# Altium PCB ESP32-HWE-Dev.PcbDoc
Units mil, origin at the board's own origin, x right, y up, seen from the top; angles counter-clockwise.
Board outline 6000 x 4000 mil, 2 copper layers (Top Layer, Bottom Layer); 102 components, 115 nets, 431 pads, 141 vias.
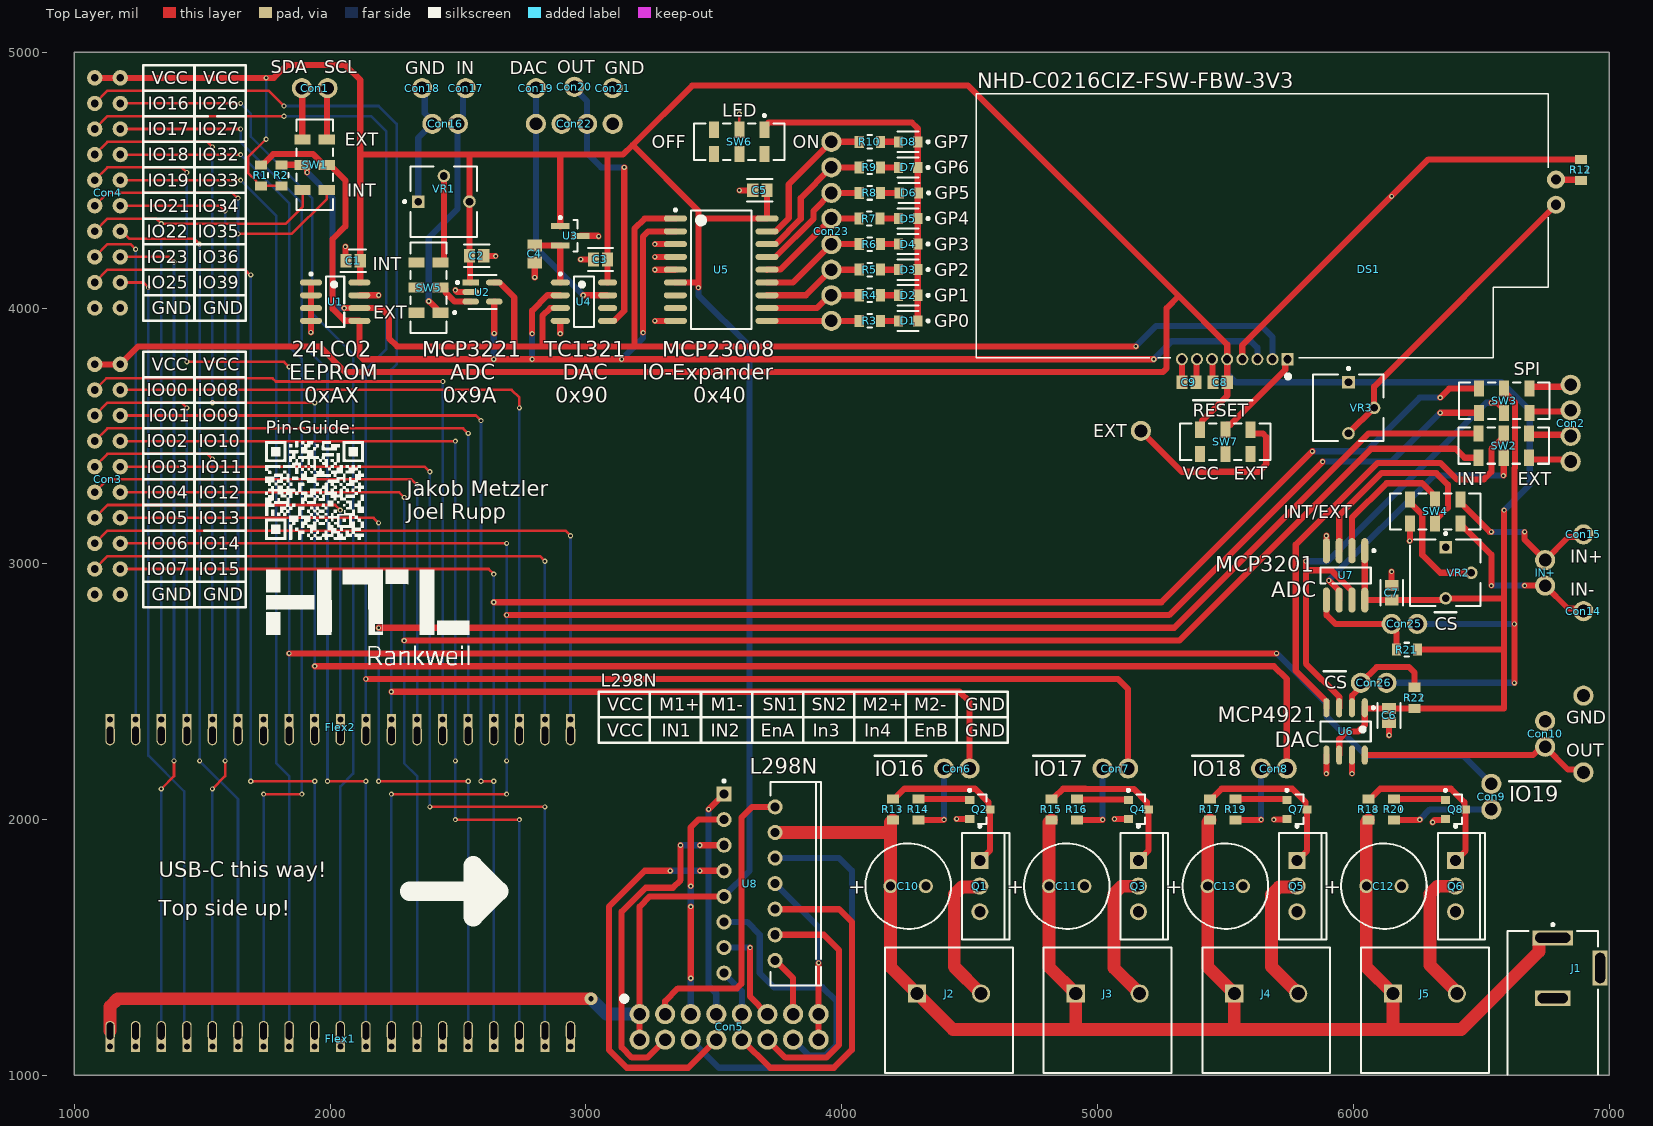
[diagram p0: Top Layer view]
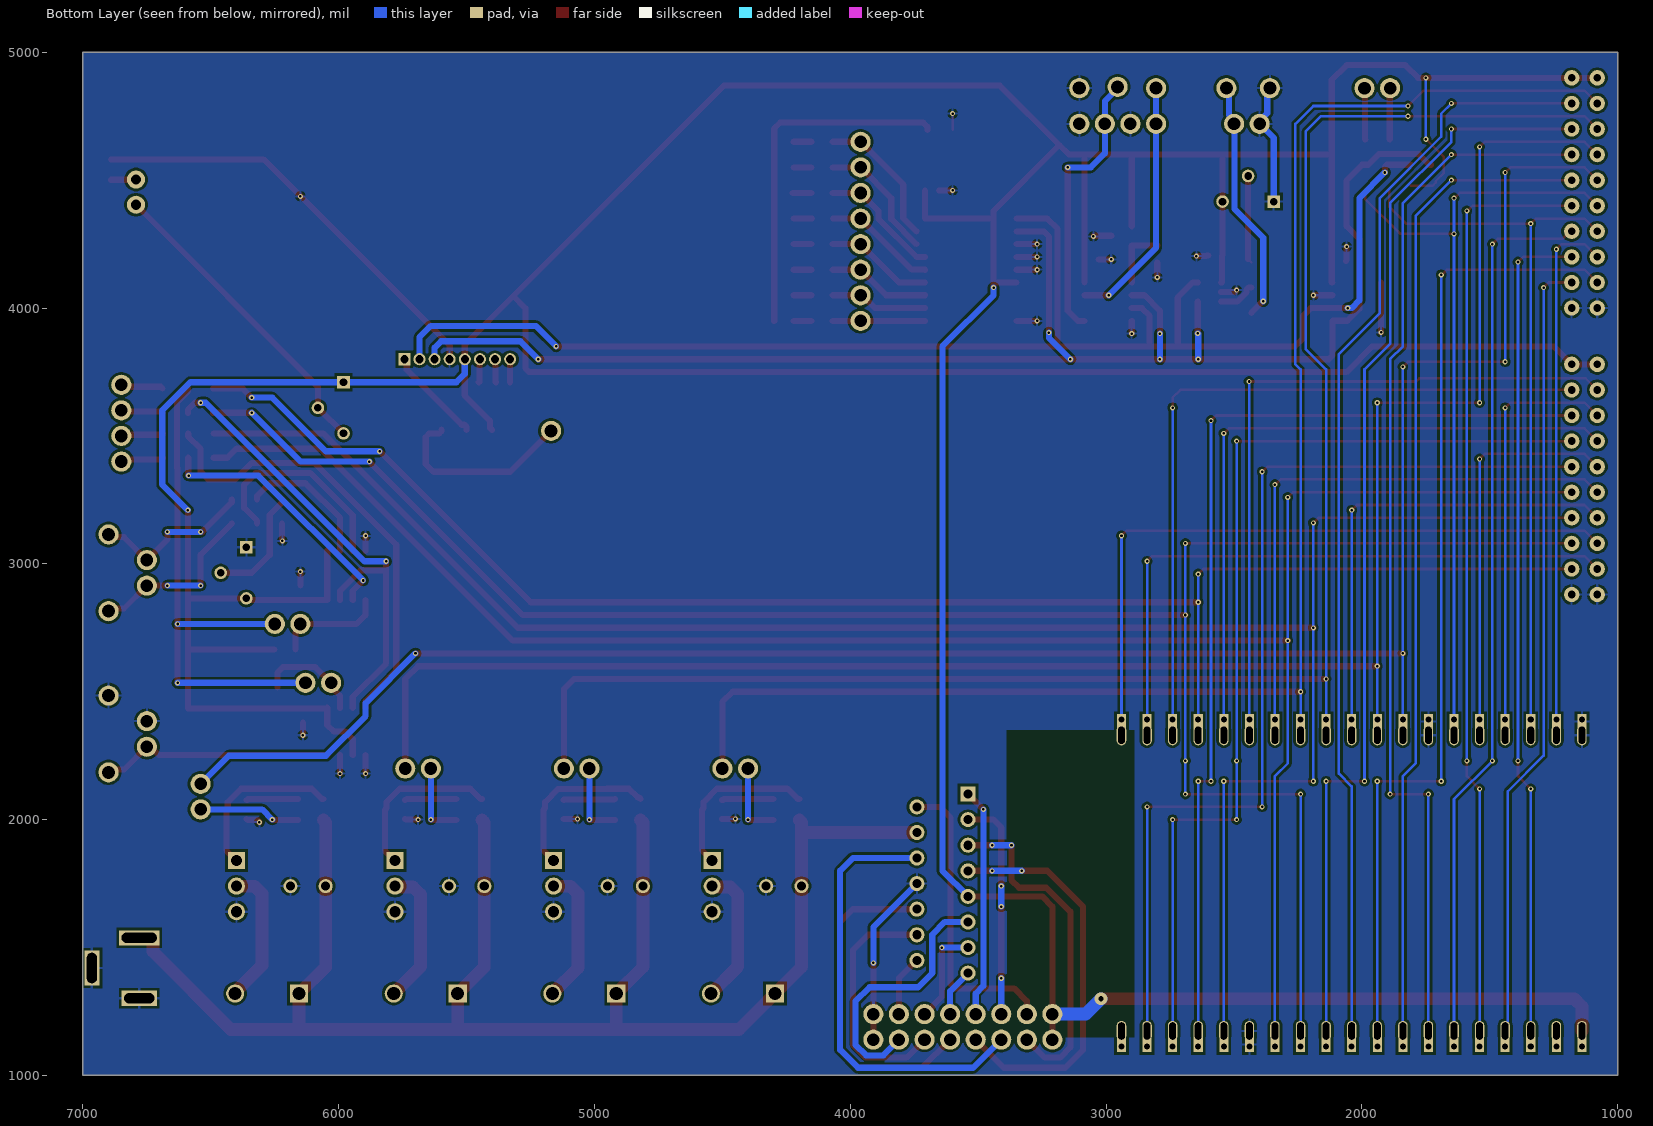
[diagram p1: Bottom Layer view, seen from below]

## Layer stack, top to bottom
Top Solder: solder mask 0.4, Solder Resist, Dk 3.5
Top Layer: signal copper 1.4
Dielectric 1: dielectric 12.6, FR-4, Dk 4.8
Bottom Layer: signal copper 1.4
Bottom Solder: solder mask 0.4, Solder Resist, Dk 3.5

## Board outline
1000,1000 7000,1000 7000,5000 1000,5000

## Design rules (kind name [scope] priority, off if disabled: settings)
Clearance [All] p1: gap=10 ignorepadtopadclearanceinfootprint=FALSE except(0: Arc-Hole Track-Hole SMDPad-Hole THPad-Hole Via-Hole Fill-Hole Poly-Hole Region-Hole Text-Hole)
HoleSize [All] p1: absolutevalues=TRUE maxlimit=150 minlimit=1 maxpercent=80.000 minpercent=20.000
PolygonConnect [All] p1: connectstyle=Relief reliefconductorwidth=10 reliefentries=4 polygonreliefangle="90 Angle" airgapwidth=10
RoutingVias [All] p1: holewidth=10 width=20 viastyle="Through Hole" minholewidth=10 minwidth=20 maxholewidth=28 maxwidth=50
SolderMaskExpansion [All] p1: expansion=4 istentingtop=FALSE
Width [All] p1: maxlimit=50 minlimit=10 preferedwidth=24 minimp=50.000000 maximp=50.000000 favimp=50.000000
29 further rules are at their usual default settings.

## Classes and differential pairs
component class ESP32-HWE-Dev-Power: C10 C11 C12 C13 J1 J2 J3 J4 J5 Q1 Q2 Q3 Q4 Q5 Q6 Q7 Q8 R13 R14 R15 R16 R17 R18 R19 R20 U8
component class ESP32-HWE-Dev: Con1 Con2 Con3 Con4 Con5 Con6 Con7 Con8 Con9 Flex1 Flex2 SW1 SW2 SW3
component class ESP32-HWE-Dev-SPI: C6 C7 Con10 Con14 Con15 Con25 Con26 GND IN+ OUT R21 R22 SW4 U6 U7 VR2
component class ESP32-HWE-Dev-I2C: C1 C2 C3 C4 C5 C8 C9 Con16 Con17 Con18 Con19 Con20 Con21 Con22 Con23 D1 D2 D3 D4 D5 D6 D7 D8 DS1 EXT R1 R2 R3 R4 R5 R6 R7 R8 R9 R10 R12 SW5 SW6 SW7 U1 U2 U3 U4 U5 VR1 VR3

## Components (designator, comment, footprint, x,y, rotation, side; value= is the part's Value field where it differs from the comment)
C1 "0.1µF" FP-0805-L_2_01_0_2-W_1_25-IPC_C 2090,4185 r180 top
C2 "0.1µF" FP-0805-L_2_01_0_2-W_1_25-IPC_C 2572.79,4205 r0 top
C3 "0.1µF" FP-0805-L_2_01_0_2-W_1_25-IPC_C 3057.21,4190 r180 top
C4 "Capacitor 1 uF +/- 10% 50 V 0805" CAPC2013X135X45NL10T25 2800,4211.54 r270 top value=1µF
C5 "0.1µF" FP-0805-L_2_01_0_2-W_1_25-IPC_C 3680,4460 r180 top
C6 "0.1µF" FP-0805-L_2_01_0_2-W_1_25-IPC_C 6140,2407.21 r270 top
C7 "0.1µF" FP-0805-L_2_01_0_2-W_1_25-IPC_C 6150,2887.21 r90 top
C8 "1µF" CAPC2013X145X50LL20T25 5480,3710 r0 top
C9 "1µF" CAPC2013X145X50LL20T25 5357.56,3710 r0 top
C10 "ECA-1VM221" PNSC-ECA-1VM221-2 4260,1740 r0 top
C11 "ECA-1VM221" PNSC-ECA-1VM221-2 4880,1740 r0 top
C12 "ECA-1VM221" PNSC-ECA-1VM221-2 6120,1740 r0 top
C13 "ECA-1VM221" PNSC-ECA-1VM221-2 5500,1740 r0 top
Con1 "Female 2 Pin" Header_Female_2Pin 1990,4860 r180 top
Con2 "Female 4 Pin" Header_Female_4Pin 6850,3400 r90 top
Con3 "Female 2x10 Pin" Header_Female_2x10Pin 1080,3780 r270 top
Con4 "Female 2x10 Pin" Header_Female_2x10Pin 1080,4900 r270 top
Con5 "Female 2x8 Pin" Header_Female_2x8Pin 3210,1140 r0 top
Con6 "Male 2 Pin" Header_Male_2Pin 4500,2200 r180 top
Con7 "Male 2 Pin" Header_Male_2Pin 5120,2200 r180 top
Con8 "Male 2 Pin" Header_Male_2Pin 5740,2200 r180 top
Con9 "Male 2 Pin" Header_Male_2Pin 6540,2140 r270 top
Con10 "DAC-Out" Header_Female_2Pin 6750,2385 r270 top
Con14 "IN-" Solder_Nail_RTM_1.3 6900,2815 r0 top
Con15 "IN+" Solder_Nail_RTM_1.3 6900,3115 r0 top
Con16 "Female 2 Pin" Header_Female_2Pin 2500,4720 r180 top
Con17 "Solder Nail RTM 1.3" Solder_Nail_RTM_1.3 2530,4860 r180 top
Con18 "Solder Nail RTM 1.3" Solder_Nail_RTM_1.3 2360,4860 r180 top
Con19 "DAC" Solder_Nail_RTM_1.3 2805,4860 r90 top
Con20 "OUT" Solder_Nail_RTM_1.3 2955,4865 r90 top
Con21 "GND" Solder_Nail_RTM_1.3 3105,4860 r90 top
Con22 "Female 4 Pin" Header_Female_4Pin 2805,4720 r0 top
Con23 "Header_Female_8Pin" Header_Female_8Pin 3960,3950 r90 top
Con25 "Male 2 Pin" Header_Male_2Pin 6150,2765 r0 top
Con26 "Male 2 Pin" Header_Male_2Pin 6130,2535 r180 top
D1 "GP0" FP-SML-LXT0805IW-TR-MFG 4260,3950 r180 top
D2 "GP1" FP-SML-LXT0805IW-TR-MFG 4260,4050 r180 top
D3 "GP2" FP-SML-LXT0805IW-TR-MFG 4260,4150 r180 top
D4 "GP3" FP-SML-LXT0805IW-TR-MFG 4260,4250 r180 top
D5 "GP4" FP-SML-LXT0805IW-TR-MFG 4260,4350 r180 top
D6 "GP5" FP-SML-LXT0805IW-TR-MFG 4262.6,4450 r180 top
D7 "GP6" FP-SML-LXT0805IW-TR-MFG 4260,4550 r180 top
D8 "GP7" FP-SML-LXT0805IW-TR-MFG 4260,4650 r180 top
DS1 "NHD-C0216CIZ-FSW-FBW-3V3" LCD_NHD-C0216CIZ-FSW-FBW-3V3 5536.69,4441.73 r0 top
EXT "Solder Nail RTM 1.3" Solder_Nail_RTM_1.3 5170,3520 r90 top (schematic designator Con24)
Flex1 "FlexiPins19" FlexiPins19#1 1140,1173.86 r90 top
Flex2 "FlexiPins19" FlexiPins19#2 1140,2330 r270 top
GND "Solder Nail RTM 1.3" Solder_Nail_RTM_1.3 6900,2485 r0 top (schematic designator Con11)
IN+ "ADC-In" Header_Female_2Pin 6750,2915 r90 top (schematic designator Con13)
J1 "PJ-002A" CUI-PJ-002A_V 6780,1420 r270 top
J2 "1714955" PHOE-1714955_V 4420,1320 r0 top
J3 "1714955" PHOE-1714955_V 5040,1320 r0 top
J4 "1714955" PHOE-1714955_V 5660,1320 r0 top
J5 "1714955" PHOE-1714955_V 6280,1320 r0 top
OUT "Solder Nail RTM 1.3" Solder_Nail_RTM_1.3 6900,2185 r0 top (schematic designator Con12)
Q1 "IRF840PBF" VISH-TO-220AB-3 4540,1740 r0 top
Q2 "BC817-40LT1G" ONSC-SOT-23-3-318-08_V 4540,2040 r0 top
Q3 "IRF840PBF" VISH-TO-220AB-3 5160,1740 r0 top
Q4 "BC817-40LT1G" ONSC-SOT-23-3-318-08_V 5160,2040 r0 top
Q5 "IRF840PBF" VISH-TO-220AB-3 5780,1740 r0 top
Q6 "IRF840PBF" VISH-TO-220AB-3 6400,1740 r0 top
Q7 "BC817-40LT1G" ONSC-SOT-23-3-318-08_V 5780,2040 r0 top
Q8 "BC817-40LT1G" ONSC-SOT-23-3-318-08_V 6400,2040 r0 top
R1 "4k7" FP-AC0805-MFG 1730,4518.66 r90 top value=4.7KΩ
R2 "4k7" FP-AC0805-MFG 1810,4518.66 r90 top value=4.7KΩ
R3 "47R" FP-AC0805-MFG 4110,3950 r180 top value=4.7KΩ
R4 "47R" FP-AC0805-MFG 4110,4050 r180 top value=4.7KΩ
R5 "47R" FP-AC0805-MFG 4110,4150 r180 top value=4.7KΩ
R6 "47R" FP-AC0805-MFG 4110,4250 r180 top value=4.7KΩ
R7 "47R" FP-AC0805-MFG 4108.66,4350 r180 top value=4.7KΩ
R8 "47R" FP-AC0805-MFG 4110,4450 r180 top value=4.7KΩ
R9 "47R" FP-AC0805-MFG 4110,4550 r180 top value=4.7KΩ
R10 "47R" FP-AC0805-MFG 4110,4650 r180 top value=4.7KΩ
R12 "21R" FP-AC0805-MFG 6890,4540 r90 top value=4.7KΩ
R13 "330R" FP-AC0805-MFG 4200,2040 r90 top value=4.7KΩ
R14 "3k3" FP-AC0805-MFG 4300,2040 r90 top value=4.7KΩ
R15 "330R" FP-AC0805-MFG 4820,2040 r90 top value=4.7KΩ
R16 "3k3" FP-AC0805-MFG 4920,2040 r90 top value=4.7KΩ
R17 "330R" FP-AC0805-MFG 5440,2040 r90 top value=4.7KΩ
R18 "330R" FP-AC0805-MFG 6060,2040 r90 top value=4.7KΩ
R19 "3k3" FP-AC0805-MFG 5540,2040 r90 top value=4.7KΩ
R20 "3k3" FP-AC0805-MFG 6160,2040 r90 top value=4.7KΩ
R21 "10k" FP-AC0805-MFG 6210,2665 r180 top value=4.7KΩ
R22 "10k" FP-AC0805-MFG 6240,2476.34 r90 top value=4.7KΩ
SW1 "JS202011JCQN" FP-JS202011JCQN-MFG 1940,4560 r90 top
SW2 "JS202011JCQN" FP-JS202011JCQN-MFG 6588.43,3462.24 r0 top
SW3 "JS202011JCQN" FP-JS202011JCQN-MFG 6590,3637.76 r0 top
SW4 "JS202011JCQN" FP-JS202011JCQN-MFG 6320,3205 r180 top
SW5 "JS202011JCQN" FP-JS202011JCQN-MFG 2385,4080 r90 top
SW6 "JS202011JCQN" FP-JS202011JCQN-MFG 3600,4650 r180 top
SW7 "JS202011JCQN" FP-JS202011JCQN-MFG 5500,3477.24 r0 top
U1 "24LC02" SOIC-SN8_N 2020,4025 r0 top
U2 "MCP3221" FP-C04-091-OT-IPC_A 2595.91,4062.6 r0 top
U3 "MCP1525T-I/TT" SOT-23-TT3_M 2939.37,4282.6 r0 top
U4 "TC1321" SOIC-OA8_L 2992.52,4025 r0 top
U5 "MCP23008" SOIC-SO18_N 3529.13,4150 r0 top
U6 "MCP4921" SOIC-SN8_L 5970,2345 r270 top
U7 "MCP3201" SOIC-SN8_M 5970,2955 r270 top
U8 "L298N" STM-FM-15 3640,1750 r0 top
VR1 "10k" BOUR-3362P 2445,4415 r0 top
VR2 "10k" BOUR-3362P 6360,2965 r270 top
VR3 "100R" BOUR-3362P 5980,3610 r270 top

## Footprints (in the part's own frame and the unit in brackets; to place one, negate y for a bottom-side part, rotate by r counter-clockwise, add the part's x,y. Pads: shape width x height; smd on the part's side, far side on the other; paste and mask are expansions set on the pad)
BOUR-3362P [mm] "THD, 3-Leads, Body 6.6x6.99mm, Pitch 2.54mm"
  rect 1.25x1.25 hole 0.75: 1(-2.54,0.035)
  round 1.25 hole 0.75: 2(0,2.575) 3(2.54,0.035)
  silkscreen extent -4.02,-3.49 3.3,3.5, body extent -3.3,-3.49 3.3,3.49, height 4.95
CAPC2013X135X45NL10T25 [mm] "Chip Capacitor, 2-Leads, Body 2.10x1.35mm, IPC Medium Density"
  rect 1.2x1.4 smd: 1(-0.85,0) 2(0.85,0)
  body extent -1.05,-0.67 1.05,0.67, height 1.35
CAPC2013X145X50LL20T25 [mm] "Chip Capacitor, 2-Leads, Body 2.00x1.25mm, IPC High Density"
  rect 1.1x1.35 smd: 1(-0.7,0) 2(0.7,0)
  body extent -1.1,-0.72 1.1,0.72, height 1.45
CUI-PJ-002A_V [mm] "THD, 3-Leads, Body 14.4x9mm, Height 11mm"
  rect 1.5x4 hole 1 slot 3.5 at 90 deg: 1(-3,0)
  rect 1.5x3.5 hole 1 slot 3 at 90 deg: 2(3,0)
  rect 3.5x1.5 hole 1 slot 3 at 0 deg: 3(0,4.7)
  silkscreen extent -4.42,-4.5 10.57,4.5, body extent -3.7,-4.5 10.7,4.9, height 11
FlexiPins19#1 [mm]
  rect 1.5x0.9 hole 0.6 copper offset 0.2,0: 1(-1.55,0) 2(-1.55,-2.54) 3(-1.55,-5.08) 4(-1.55,-7.62) 5(-1.55,-10.16) 6(-1.55,-12.7) 7(-1.55,-15.24) 8(-1.55,-17.78) 9(-1.55,-20.32) 10(-1.55,-22.86) 11(-1.55,-25.4) 12(-1.55,-27.94) 13(-1.55,-30.48) 14(-1.55,-33.02) 15(-1.55,-35.56) 16(-1.55,-38.1) 17(-1.55,-40.64) 18(-1.55,-43.18) 19(-1.55,-45.72)
  oval 2x0.95 hole 0.65 slot 1.7 at 0 deg: 1(0,0) 2(0,-2.54) 3(0,-5.08) 4(0,-7.62) 5(0,-10.16) 6(0,-12.7) 7(0,-15.24) 8(0,-17.78) 9(0,-20.32) 10(0,-22.86) 11(0,-25.4) 12(0,-27.94) 13(0,-30.48) 14(0,-33.02) 15(0,-35.56) 16(0,-38.1) 17(0,-40.64) 18(0,-43.18) 19(0,-45.72)
  body extent -3.59,-45.92 0.87,0.2, height 4.07
FlexiPins19#2 [mm]
  rect 1.5x0.9 hole 0.6 copper offset 0.2,0: 1(-1.55,0) 2(-1.55,2.54) 3(-1.55,5.08) 4(-1.55,7.62) 5(-1.55,10.16) 6(-1.55,12.7) 7(-1.55,15.24) 8(-1.55,17.78) 9(-1.55,20.32) 10(-1.55,22.86) 11(-1.55,25.4) 12(-1.55,27.94) 13(-1.55,30.48) 14(-1.55,33.02) 15(-1.55,35.56) 16(-1.55,38.1) 17(-1.55,40.64) 18(-1.55,43.18) 19(-1.55,45.72)
  oval 2x0.95 hole 0.65 slot 1.7 at 0 deg: 1(0,0) 2(0,2.54) 3(0,5.08) 4(0,7.62) 5(0,10.16) 6(0,12.7) 7(0,15.24) 8(0,17.78) 9(0,20.32) 10(0,22.86) 11(0,25.4) 12(0,27.94) 13(0,30.48) 14(0,33.02) 15(0,35.56) 16(0,38.1) 17(0,40.64) 18(0,43.18) 19(0,45.72)
  body extent -3.59,-0.2 0.87,45.92, height 4.07
FP-0805-L_2_01_0_2-W_1_25-IPC_C [mil]
  rect 43.49x53.39 smd paste+0 mask+0: 1(-27.79,0) 2(27.79,0)
  silkscreen extent -50,-44 50,44, body extent -53,-32 53,32, height 10
FP-AC0805-MFG [mm]
  rect 0.9x1.2 smd paste+0 mask+0: 1(-1.05,0) 2(1.05,0)
  silkscreen extent -0.23,-0.67 0.23,0.67, body extent -1.6,-0.77 1.6,0.77, height 0.25
FP-C04-091-OT-IPC_A [mil]
  rect 64.5x24.33 smd paste+0 mask+0: 1(-45.91,37.4)
  rrect100% 64.5x24.33 smd paste+0 mask+0: 2(-45.91,0) 3(-45.91,-37.4) 4(45.91,-37.4) 5(45.91,37.4)
  silkscreen extent -103,-67 55,67
FP-JS202011JCQN-MFG [mm]
  rect 1x1.6 smd paste+0 mask+0: 1(-2.5,-1.2) 2(0,-1.2) 3(2.5,-1.2) 5(-2.5,1.2) 6(0,1.2) 7(2.5,1.2)
  silkscreen extent -4.5,-1.8 4.5,1.8, body extent -4.6,-2.1 4.6,2.1, height 0.25
FP-SML-LXT0805IW-TR-MFG [mm]
  rect 0.9x1.1 smd paste+0 mask+0: 1(-0.95,0) 2(0.95,0)
  silkscreen extent -2.1,-1 1.05,1, body extent -1.5,-0.8 1.5,0.8, height 0.25
Header_Female_2Pin [mm]
  round 2 hole 1.25: 1(0,0) 2(2.54,0)
  body extent -1.53,-1.2 4.07,1.2, height 8.51
Header_Female_2x8Pin [mm]
  round 2 hole 1.25: 1(0,0) 2(2.54,0) 3(7.62,0) 4(5.08,0) 5(10.16,0) 6(12.7,0) 7(15.24,0) 8(17.78,0) 9(0,2.54) 10(2.54,2.54) 11(5.08,2.54) 12(7.62,2.54) 13(10.16,2.54) 14(12.7,2.54) 15(15.24,2.54) 16(17.78,2.54)
  body extent -1.27,-1.27 19.05,3.81, height 8.38
Header_Female_2x10Pin [mil]
  round 60 hole 30: 1(0,0) 2(100,0) 3(200,0) 4(300,0) 5(400,0) 6(500,0) 7(600,0) 8(700,0) 9(800,0) 10(900,0) 11(0,100) 12(100,100) 13(200,100) 14(300,100) 15(400,100) 16(500,100) 17(600,100) 18(700,100) 19(800,100) 20(900,100)
  body extent -60,-47 960,147, height 335
Header_Female_4Pin [mm]
  round 2 hole 1.25: 1(0,0) 2(2.54,0) 3(5.08,0) 4(7.62,0)
  body extent -1.53,-1.2 9.15,1.2, height 8.51
Header_Female_8Pin [mm]
  round 2 hole 1.25: 1(0,0) 2(2.54,0) 3(5.08,0) 4(7.62,0) 5(10.16,0) 6(12.7,0) 7(15.24,0) 8(17.78,0)
  body extent -1.52,-1.2 19.31,1.21, height 8.51
Header_Male_2Pin [mm]
  round 2 hole 1.25: 1(0,0) 2(2.54,0)
  body extent -1.33,-1.27 3.87,1.27, height 9.27
LCD_NHD-C0216CIZ-FSW-FBW-3V3 [mm]
  rect 1.2x1.2 hole 0.8: 1(5.25,-16.3)
  round 1.2 hole 0.8: 2(3.75,-16.3) 3(2.25,-16.3) 4(0.75,-16.3) 5(-0.75,-16.3) 6(-2.25,-16.3) 7(-3.75,-16.3) 8(-5.25,-16.3)
  round 1.8 hole 1: A(31.9,-0.96) K(31.9,1.54)
  silkscreen extent -25.65,-18.2 31.15,10.05, body extent -25.62,-16.51 32.18,9.99, height 6
ONSC-SOT-23-3-318-08_V [mm] "SOT23, 3-Leads, Body 2.92x1.3mm, Pitch 0.95mm"
  rect 0.9x0.8 smd: 1(-1,0.95) 2(-1,-0.95) 3(1,0)
  silkscreen extent -1.12,-1.46 0.65,2.02, body extent -0.65,-1.46 0.65,1.46, height 1.11
PHOE-1714955_V [mm] "Terminal Block, 2-Leads, Body 12.7x12.5mm, Pitch 6.35mm"
  rect 1.8x1.8 hole 1.3: 1(-3.175,0)
  round 1.8 hole 1.3: 2(3.175,0)
  silkscreen extent -6.35,-7.9 6.35,4.6, body extent -6.92,-7.9 6.35,4.6, height 21.51
PNSC-ECA-1VM221-2 [mm] "THD, 2-Leads, Dia 8.5mm, Body Length 12.5mm, Pin Spacing 3.5mm"
  round 1.4 hole 0.9: 1(-1.75,0) 2(1.75,0)
  silkscreen extent -4.25,-4.25 4.25,4.25, body extent -4.25,-4.25 4.25,4.25, height 12.5
SOIC-OA8_L [mm] "SOIC, 8-Leads, Body 4.9x3.9mm, Pitch 1.27mm, IPC High Density"
  oval 1.9x0.6 smd: 1(-2.35,1.905) 2(-2.35,0.635) 3(-2.35,-0.635) 4(-2.35,-1.905) 5(2.35,-1.905) 6(2.35,-0.635) 7(2.35,0.635) 8(2.35,1.905)
  silkscreen extent -2.47,-2.5 1,2.88, body extent -2,-2.5 2,2.5, height 1.75
SOIC-SN8_L [mm] "SOIC, 8-Leads, Body 4.9x3.9mm, Pitch 1.27mm, IPC High Density"
  oval 1.9x0.6 smd: 1(-2.35,1.905) 2(-2.35,0.635) 3(-2.35,-0.635) 4(-2.35,-1.905) 5(2.35,-1.905) 6(2.35,-0.635) 7(2.35,0.635) 8(2.35,1.905)
  silkscreen extent -2.47,-2.5 1,2.88, body extent -2,-2.5 2,2.5, height 1.75
SOIC-SN8_M [mm] "SOIC, 8-Leads, Body 4.9x3.9mm, Pitch 1.27mm, IPC Low Density"
  oval 2.5x0.7 smd: 1(-2.45,1.905) 2(-2.45,0.635) 3(-2.45,-0.635) 4(-2.45,-1.905) 5(2.45,-1.905) 6(2.45,-0.635) 7(2.45,0.635) 8(2.45,1.905)
  silkscreen extent -2.57,-2.5 0.8,2.93, body extent -2,-2.5 2,2.5, height 1.75
SOIC-SN8_N [mm] "SOIC, 8-Leads, Body 4.9x3.9mm, Pitch 1.27mm, IPC Medium Density"
  oval 2.2x0.6 smd: 1(-2.4,1.905) 2(-2.4,0.635) 3(-2.4,-0.635) 4(-2.4,-1.905) 5(2.4,-1.905) 6(2.4,-0.635) 7(2.4,0.635) 8(2.4,1.905)
  silkscreen extent -2.52,-2.5 0.9,2.88, body extent -2,-2.5 2,2.5, height 1.75
SOIC-SO18_N [mm] "SOIC, 18-Leads, Body 11.6x7.5mm, Pitch 1.27mm, IPC Medium Density"
  oval 2.3x0.6 smd: 1(-4.55,5.08) 2(-4.55,3.81) 3(-4.55,2.54) 4(-4.55,1.27) 5(-4.55,0) 6(-4.55,-1.27) 7(-4.55,-2.54) 8(-4.55,-3.81) 9(-4.55,-5.08) 10(4.55,-5.08) 11(4.55,-3.81) 12(4.55,-2.54) 13(4.55,-1.27) 14(4.55,0) 15(4.55,1.27) 16(4.55,2.54) 17(4.55,3.81) 18(4.55,5.08)
  silkscreen extent -4.67,-5.9 3,6.05, body extent -3.8,-5.87 3.8,5.87, height 2.65
Solder_Nail_RTM_1.3 [mm]
  round 2 hole 1.3: 1(0,0)
  body extent -1.02,-1.01 1.02,1.01, height 4.04
SOT-23-TT3_M [mm] "SOT23, 3-Leads, Body 2.9x1.3mm, Pitch 0.95mm, Lead Span 2.4mm, IPC Low Density"
  rect 1.8x0.6 smd: 1(-1,0.95) 2(-1,-0.95) 3(1,0)
  silkscreen extent -1.12,-1.55 0.7,1.92, body extent -0.7,-1.52 0.7,1.53, height 1.12
STM-FM-15 [mm] "FM, 15-Leads, Body 20.2x5mm, Pitch 1.27mm"
  rect 1.5x1.5 hole 0.9: 1(-2.54,8.89)
  round 1.5 hole 0.9: 2(2.54,7.62) 3(-2.54,6.35) 4(2.54,5.08) 5(-2.54,3.81) 6(2.54,2.54) 7(-2.54,1.27) 8(2.54,0) 9(-2.54,-1.27) 10(2.54,-2.54) 11(-2.54,-3.81) 12(2.54,-5.08) 13(-2.54,-6.35) 14(2.54,-7.62) 15(-2.54,-8.89)
  silkscreen extent -2.66,-10.1 7.09,10.31, body extent -2.8,-10.1 7.09,10.1, height 21
VISH-TO-220AB-3 [mm] "FM, 3-Leads, Body 10.55x4.65mm, Pitch 2.54mm"
  rect 1.7x1.7 hole 1.1: 1(0,2.54)
  round 1.7 hole 1.1: 2(0,0) 3(0,-2.54)
  silkscreen extent -1.77,-5.3 2.94,6.07, body extent -1.74,-5.28 2.91,5.28, height 19.31

## Part data
C1 C2 C3 C5 C6 C7: library part CMP-2000-05016-2, "General Purpose Ceramic Capacitor, 0805, 100nF, 10%, X7R, 0.15, 50V", Capacitance=100nF, Case Code (Imperial)=0805, Case Code (Metric)=2012, Dielectric=X7R, Dielectric Material=Ceramic, Insulation Resistance=100GR, Max Operating Temperature=125°C, Min Operating Temperature=-55°C, Package Quantity=4000, Tolerance=10%, Voltage=50V, Case/Package=0805, Depth=1.25mm, Dissipation Factor=2.5%, Height=0.5mm, Lead Free="Lead Free", Length=2mm, Mount="Surface Mount", Number of Pins=2, Packaging="Cut Tape", Radiation Hardening=No, REACH SVHC="No SVHC", RoHS Compliant=Yes, Series="MLCC X7R", Termination=Standard, Thickness=0.037inch, Voltage Rating=50V, Voltage Rating (DC)=50V, Weight=0.001411oz, Width=1.2mm
C4: library part CMP-001-00007-6, "Chip Capacitor, 1 uF, +/- 10%, 50 V, 0805 (2012 Metric)", Capacitor Type=Ceramic, Case/Package=0805, Max Operating Temperature=125°C, Min Operating Temperature=-55°C, Tolerance=10%, Voltage Rating=50V, Mounting Technology=SM, Pins=2, RoHS Compliant=True
C8 C9: library part CMP-1036-04746-2, Manufacturer=Kemet, Part Number=C0805C105K4PACTU
C10 C11 C12 C13: library part CMP-2000-05311-1, "Aluminum Electrolytic Capacitor, 220 uF, +/- 20%, 35 V, -40 to 85 degC, 2-Pin THD, RoHS, Bulk", Capacitance=220µF, Case Size/Dimension=Ø8x11.5mm, Lifetime@Temperature=2000Hrs@85degC, Manufacturer=Panasonic, Operating Temp Range=-40to+85degC, Operating Temp-Max=85degC, Package Description="2-Pin Axial Lead, Dia 8 mm, Body Length 12.5 mm", Rated Voltage=35V, Ripple Current=350mA, Datasheet URL=https://datasheet.ciiva.com/26341/441851-da-01-en-elko-eca1vm221-m-r-220myf-35v-85c-26341906.pdf, Datasheet Version=Mar-06, Manufacturer URL=http://www.panasonic.com/, Package Reference=ECA-1VM221, Series=M, Type=Radial
Con1 Con10 Con16 IN+: library part Header_Female_2Pin
Con2 Con22: library part Header_Female_4Pin
Con3 Con4: library part Header_Female_2x10Pin
Con5: library part Header_Female_2x8Pin
Con6 Con7 Con8 Con9 Con25 Con26: library part Header_Male_2Pin
Con14 Con15 Con17 Con18 Con19 Con20 Con21 EXT GND OUT: library part Solder_Nail_RTM_1.3
D1 D2 D3 D4 D5 D6 D7 D8: library part CMP-1724-00002-2, "LED RED DIFFUSED SMD", Case Code (Imperial)=0805, Case Code (Metric)=2012, Color=Red, Forward Current=20mA, Forward Voltage=2V, Lens Color=White, Max Operating Temperature=80°C, Min Operating Temperature=-25°C, Package Quantity=1, Approvals=UL, Case/Package=0805, Dominant Wavelength=635nm, Height=0.8mm, Illumination Color=Red, Lead Free="Lead Free", Length=2mm, Lens Style=Rectangular, Lens Transparency=Diffused, Luminous Intensity=11mcd, Mount="Surface Mount", Number of LEDs=1, Number of Pins=2, Packaging="Tape and Reel", REACH SVHC="No SVHC", Test Current=20mA, Viewing Angle=140°, Wavelength=635nm, Width=1.25mm
DS1: "Character Display FSTN Transflective 16Char x 2Line 8-Pin", Package=None, Availability=Unavailable, ComponentLink1Description=Datasheet, ComponentLink1URL=https://s3.amazonaws.com/snapeda/datasheet/NHD-C0216CIZ-FSW-FBW-3V3_Newhaven.pdf, MF="{'manufacturer': u'Newhaven'}", MP=NHD-C0216CIZ-FSW-FBW-3V3, Price=None
J1: library part CMP-2000-06895-2, "Through Hole Right Angle DC Power Jack, 2.5 A, 2 mm Center Pin, 3 Position, -25 to 85 degC, RoHS, Bulk", Current Rating=2.5A, Flammability Rating=UL94V-0, Insulation Resistance=50MOhms, Manufacturer=CUIInc., Operating Temperature Range=-25Cto+85C, Package Description="3-Pin Through Hole Device, Body 14.4 x 9 mm, Height 11 mm", Voltage Rating=24V, Brand=CUI, Connector Type=DCPowerJack, Contact Gender=Male, Contact Material=Copper, Contact Plating=Nickel, Datasheet URL=http://www.cui.com/product/resource/pj-002a.pdf, Datasheet Version="Rev. 1.03, 04/2016", Factory Pack Quantity=500, Housing Material=PolybutyleneTerephthalate(PBT), Inside Contact Diameter=2mm, Manufacturer URL=http://www.cui.com/, Mounting Angle=Right, Mounting Style=ThroughHole, Mounting Technology=ThroughHole, Outside Contact Diameter=6.5mm, Package Reference=PJ-002A, Product=Jacks, Product Category=DCPowerConnectors, RoHS=True, Termination Style=ThroughHole
J2 J3 J4 J5: library part CMP-2000-05797-1, "PC Terminal Block, Pitch 6.35 mm, 1 x 2 Position, Height 21.5 mm, Tail Lenght 5.1 mm, RoHS, Bulk", Manufacturer="Phoenix Contact", Package Description="PC Terminal Block, Pitch 6.35 mm, 1 x 2 Position, Height 21.5 mm, Tail Lenght 5.1 mm", Datasheet URL=http://media.digikey.com/pdf/Data%20Sheets/Phoenix%20Contact%20PDFs/1714955.pdf, Datasheet Version=02/2010, Manufacturer URL=http://www.phoenixcontact.com/, Mounting Technology=ThroughHole, Package Reference=1714955
Q1 Q3 Q5 Q6: library part CMP-2000-06467-1, "Power MOSFET, 500 V, -55 to 150 degC, 3-Pin FM, RoHS, Tape and Reel", Manufacturer=Vishay, Maximum Continuous Drain Current=8A, Maximum Drain Source Resistance=0.85Ω, Maximum Drain Source Voltage=500V, Maximum Gate Source Voltage=±20V, Maximum Operating Temperature=+150°C, Maximum Power Dissipation=125W, Minimum Gate Threshold Voltage=2V, Minimum Operating Temperature=-55°C, Package Description="3-Pin Flange Mount, Body 10.275 x 4.45 mm, Pitch 2.54 mm", Package Reference=TO-220AB-3, Package Type=TO-220AB, Typical Input Capacitance @ Vds=1300pF@25V, Category=PowerMOSFET, Channel Mode=Enhancement, Channel Type=N, Datasheet URL=https://datasheet.ciiva.com/26791/irf840pbf-26791500.pdf, Datasheet Version="Rev. C, 03/2011", Dimensions=10.41x4.7x9.01mm, Height=9.01mm, Length=10.41mm, Manufacturer URL=http://www.vishay.com/, Mounting Technology=ThroughHole, Mounting Type=ThroughHole, Number of Elements per Chip=1, Package URL=http://www.vishay.com/docs/71195/to220ab.pdf, Pin Count=3, Typical Gate Charge @ Vgs=63nC@10V, Typical Turn-Off Delay Time=49ns, Typical Turn-On Delay Time=14ns, Width=4.7mm
Q2 Q4 Q7 Q8: library part CMP-1048-00019-1, "General Purpose Transistor, NPN Silicon, 3-Pin SOT-23, Pb-Free, Tape and Reel", Manufacturer="On Semiconductor", ComponentLink1Description="Manufacturer URL", ComponentLink1URL=http://www.onsemi.com/, ComponentLink2Description=Datasheet, ComponentLink2URL=http://www.onsemi.com/pub_link/Collateral/BC817-16LT1-D.PDF, ComponentLink3Description="Package Specification", ComponentLink3URL=http://www.onsemi.cn/pub_link/Collateral/318-08.PDF, DatasheetVersion="Rev. 12", fT Min (MHz)=100, IC Continuous (A)=0.5, Mounting Technology="Surface Mount", PackageDescription="3-Pin Small Outline Transistor, Body 2.92 x 1.3 mm, Pitch 0.95 mm", PackageReference=SOT-23-3-318-08, PackageVersion="Rev. AP, 11/2009", Packing="Tape and Reel", PartNumber=BC817-40LT1G, Polarity=NPN, RoHS=TRUE
R1 R2 R3 R4 R5 R6 R7 R8 R9 R10 R12 R13 R14 R15 R16 R17 R18 R19 R20 R21 R22: library part CMP-2001-04476-2, "RES SMD 4.7K OHM 5% 1/8W 0805", Manufacturer=Yageo, Manufacturer Part Number=AC0805JR-074K7L, Package=AC0805, Power Rating=1/8W, Resistance=4.7KΩ, Temperature="-55°C to +155°C", Temperature Range High=+155°C, Temperature Range Low=-55°C, Tolerance=0.05, Voltage Rating=150V, Automotive=Yes, Automotive Grade="Grade 0", Category=Res, ComponentLink2Description=Datasheet, ComponentLink2URL=http://www.yageo.com/documents/recent/PYu-AC_51_RoHS_L_6.pdf, Composition="Thick Film", Device Class L1="Passive Components", Device Class L2=Resistors, Device Class L3="Chip SMD Resistors", Digikey Description="RES SMD 4.7K OHM 5% 1/8W 0805", Footprint Url=http://www.yageo.com/exep/pages/download/literatures/PYu-R_Mount_10.pdf, Height=0.6mm, Ipc Land Pattern Name=RESC200125X50, Lead Free=Yes, Mouser Description="Thick Film Resistors - SMD 1/8W 4.7K ohm 5% AEC-Q200", Octopart=https://octopart.com/ac0805jr-074k7l-yageo-26638632, RoHS=TRUE, Series=AC
SW1 SW2 SW3 SW4 SW5 SW6 SW7: library part CMP-10038-000009-1, "SWITCH SLIDE DPDT 300MA 6V", Current Rating=300mA, Max Operating Temperature=85°C, Min Operating Temperature=-40°C, Voltage Rating (DC)=6V, Actuator Length=2mm, Actuator Material=Nylon, Actuator Type=Standard, Contact Material="Copper Alloy", Contact Plating=Silver, Electrical Life=5000Cycles, Mount="Surface Mount", Packaging="Cut Tape", Switch Function=On-On, Switch Travel=2mm, Throw Configuration=DPDT
U1: library part CMP-0159-00324-1, "2Kbit, 400kHz, 2.5V, I2C Serial EEPROM, 8-Pin SOIC 150mil, Commercial Temperature, Tape and Reel", Code_IPC=SOIC127P600-8, Code_JEDEC=MS-012, DatasheetVersion="revJ, Feb-2009", PackageDescription="8-Lead Plastic Small Outline (SN) - Narrow, 3.90mm Body [SOIC]", PackageReference=SOIC-SN8, PackageVersion="revBB, Aug-2009"
U2: library part CMP-0188-00729-3, "IC ADC 12BIT SAR SOT23-5", Case/Package=SOT-23, Max Operating Temperature=125°C, Max Supply Voltage=5.5V, Min Operating Temperature=-40°C, Min Supply Voltage=2.7V, Nominal Supply Current=175uA, Package Quantity=3000, Conversion Rate=22.3KS/s, Height=1.3mm, Integral Nonlinearity (INL)=2LSB, Interface=I2C, Lead Free="Lead Free", Length=3.1mm, Mount="Surface Mount", Number of A/D Converters=1, Number of Analog Inputs=1, Number of Bits=12, Number of Channels=1, Number of Converters=1, Number of Elements=1, Number of Inputs=1, Number of Pins=5, Packaging="Tape and Reel", Polarity=Unipolar, Radiation Hardening=No, REACH SVHC="No SVHC", Resolution=12b, Sampling Rate=22.3KS/s, Termination=SMD/SMT, Width=1.8mm
U3: library part CMP-0131-00003-1, "2.5V Voltage Reference, 3-Pin SOT-23, Industrial Temperature, Tape and Reel", Code_IPC=SOT23-3, DatasheetVersion="revB, Feb-2005", PackageDescription="3-Lead Plastic Small Outline Transistor (TT) [SOT-23]", PackageReference=SOT-23-TT3, PackageVersion="revBB, Aug-2009"